# Altium PCB MB1397.PcbDoc (part 1 of 11) (continued)
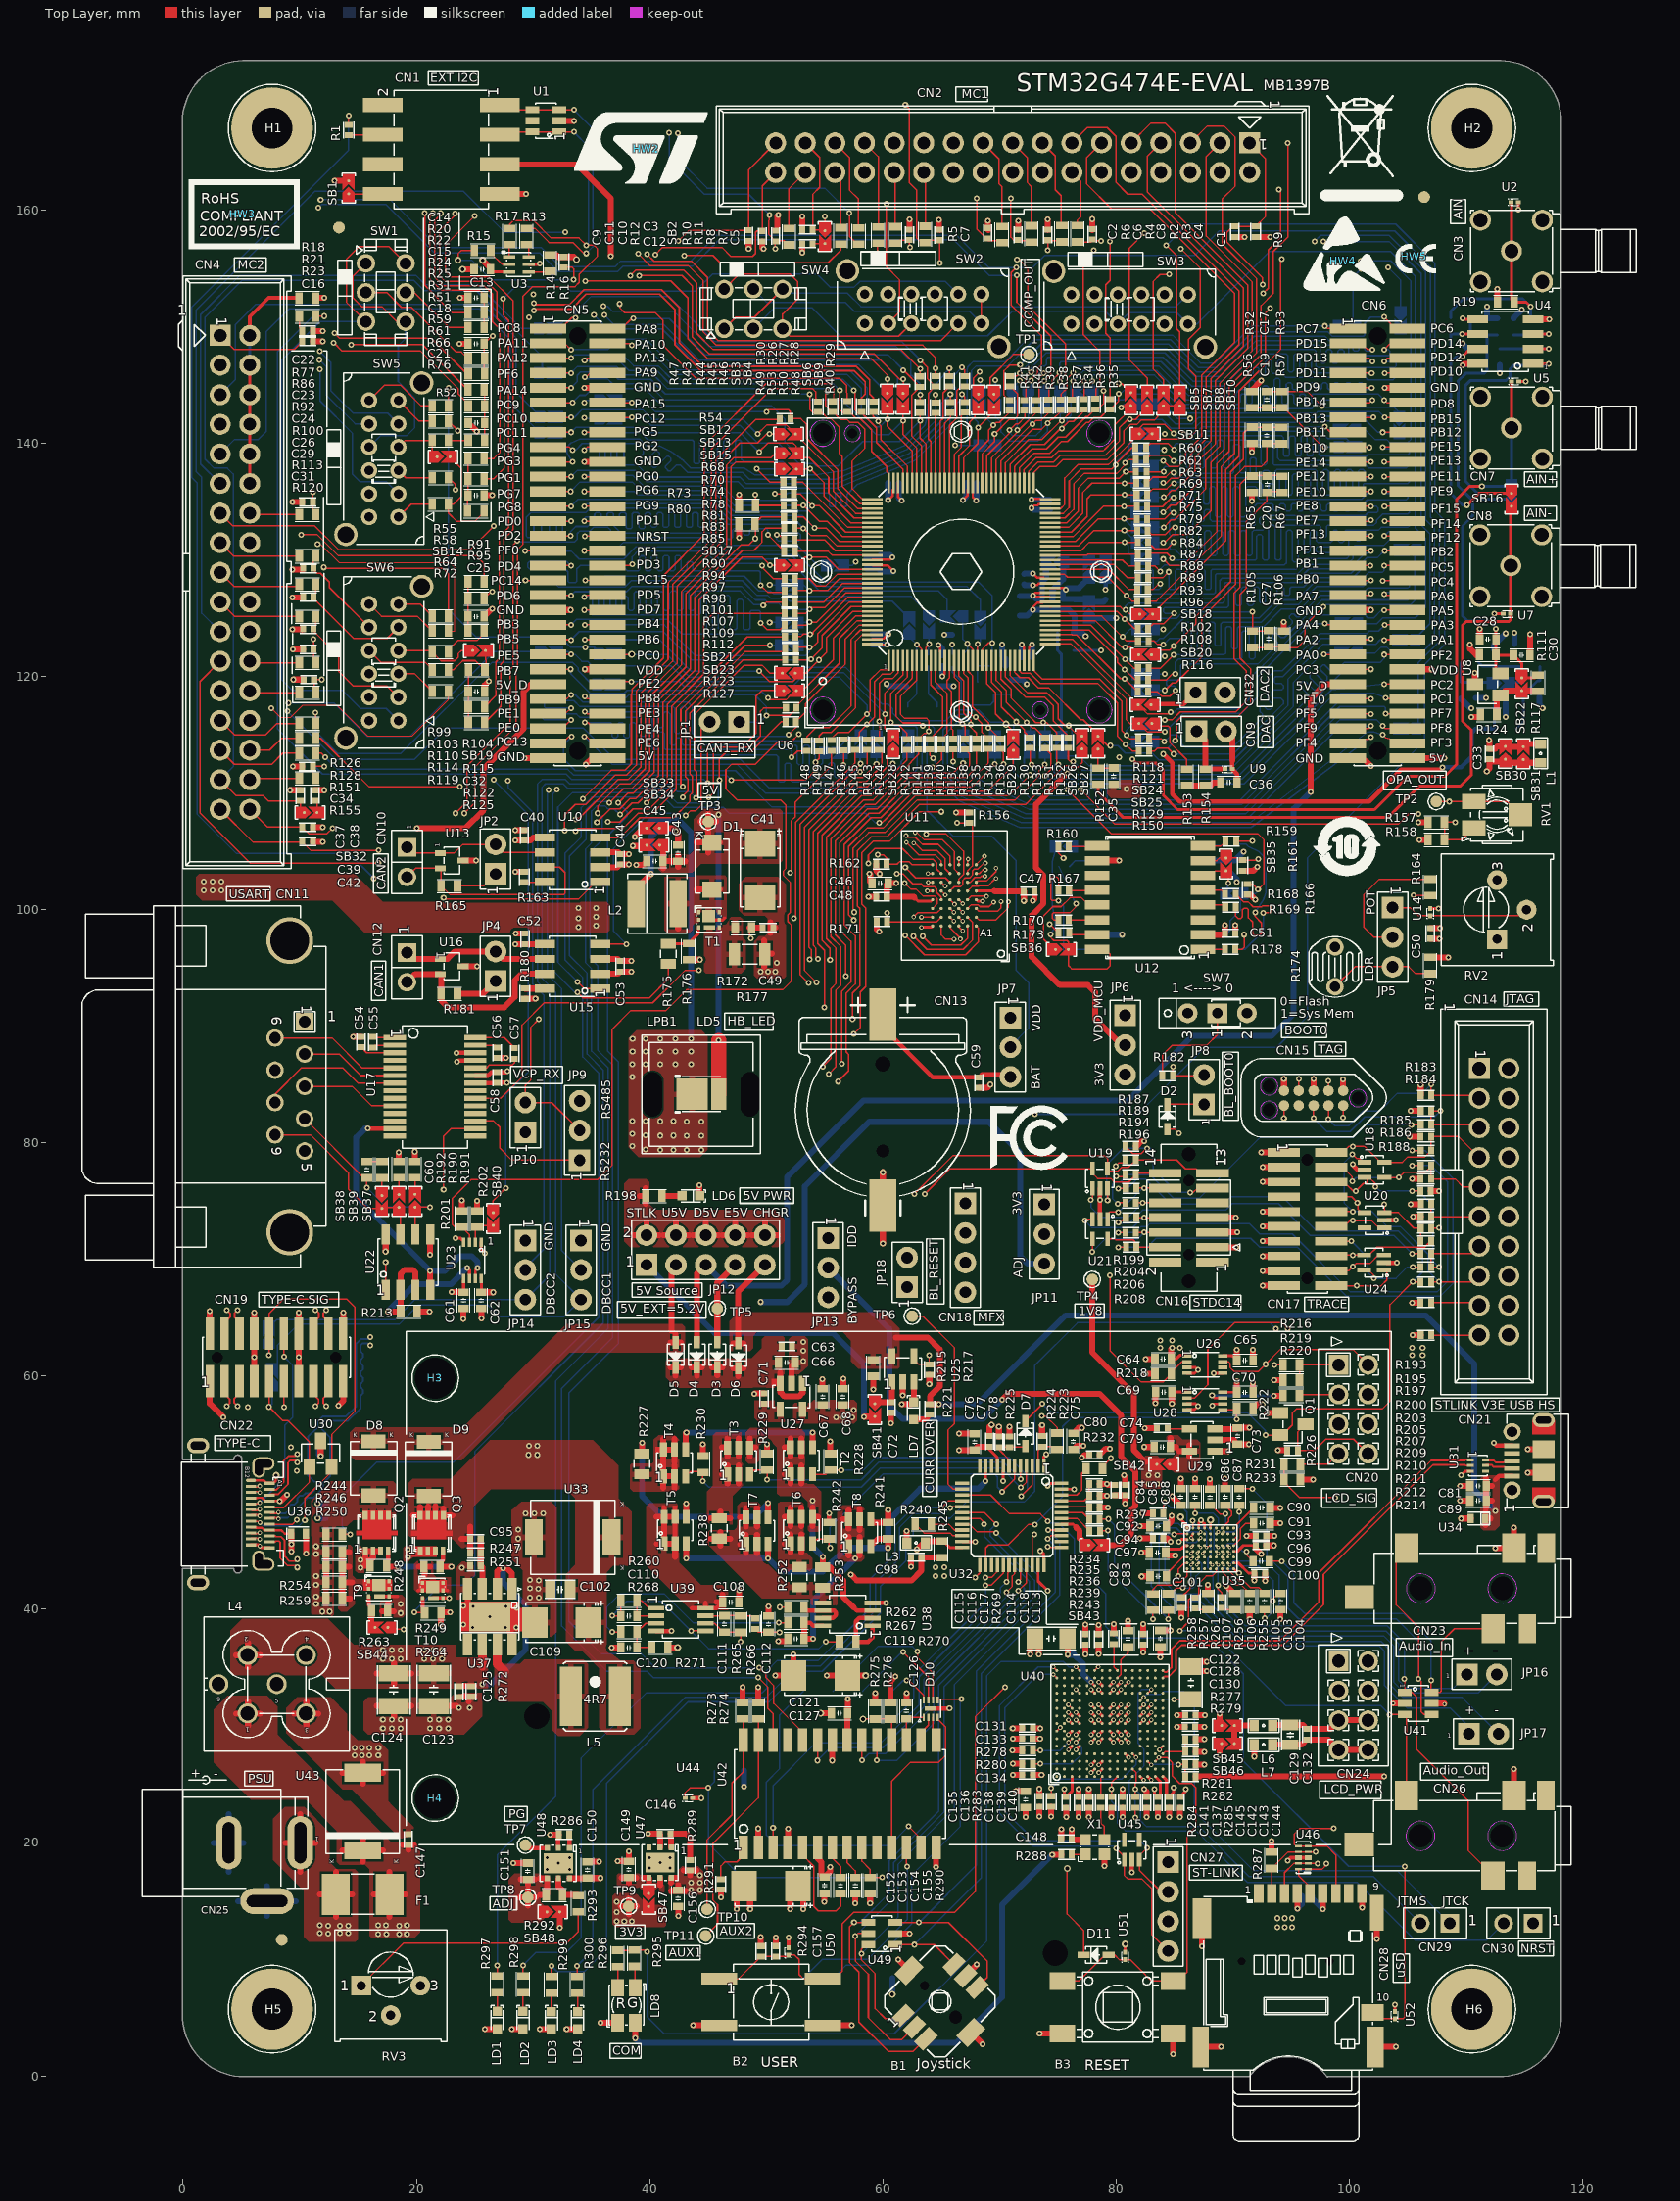
[diagram p0: Top Layer view]
## Classes and differential pairs (continued)
differential pair USB_DEV_HS: +USB_DEV_HS_P -USB_DEV_HS_N
differential pair USB_DEV_HS_CN: +USB_DEV_HS_CN_P -USB_DEV_HS_CN_N
differential pair USB_DEV_HS: +USB_DEV_HS_P -USB_DEV_HS_N

## Components (designator, comment, footprint, x,y, rotation, side; value= is the part's Value field where it differs from the comment)
B1 "Joystick MT-008A_M" SWI_XIEJIA_MT-008A_6P 64.889,6.37 r45 top
B2 "SW_BLUE_KSC721GLFS" SWI_C&K_KSC721GLFS_BLUE 50.414,6.318 r0 top
B3 "SW-PUSH-CMS" SWI_WEALTHMETAL_TD-0341_4P_BLACK 80.14,5.875 r90 top
C1 "Capacitor" C0402 90.17,158.115 r90 top
C2 "Capacitor" C0402 68.981,157.988 r270 top
C3 "Capacitor" C0402 53.527,158.287 r0 top
C4 "Capacitor" C0402 77.938,157.887 r90 top
C5 "Capacitor" C0402 62.27,157.845 r270 top
C6 "Capacitor" C0402 71.587,157.845 r270 top
C7 "Capacitor" C0402 64.801,157.837 r270 top
C8 "Capacitor" C0402 74.129,157.837 r270 top
C9 "Capacitor" C0402 48.486,157.785 r90 top
C10 "Capacitor" C0402 50.8,157.737 r270 top
C11 "Capacitor" C0402 49.654,157.731 r90 top
C12 "Capacitor" C0402 53.527,157.087 r0 top
C13 "Capacitor" C0603 25.651,154.897 r180 top
C14 "Capacitor" C0603 25.113,152.448 r180 top
C15 "Capacitor" C0603 25.121,148.511 r180 top
C16 "Capacitor" C0402 10.668,148.709 r180 top
C17 "Capacitor" C0603 92.913,143.711 r90 top
C18 "Capacitor" C0603 25.146,141.732 r180 top
C19 "Capacitor" C0603 92.905,140.645 r270 top
C20 "Capacitor" C0603 92.956,136.466 r270 top
C21 "Capacitor" C0603 25.113,135.509 r0 top
C22 "Capacitor" C0402 10.668,134.941 r180 top
C23 "Capacitor" C0402 10.735,129.237 r0 top
C24 "Capacitor" C0402 10.735,126.794 r0 top
C25 "Capacitor" C0603 25.121,125.12 r0 top
C26 "Capacitor" C0402 10.735,124.028 r0 top
C27 "Capacitor" C0603 93.086,123.221 r90 top
C28 "Capacitor" C0603 111.858,123.175 r0 top
C29 "Capacitor" C0402 10.735,122.301 r0 top
C30 "Capacitor" C0603 114.757,121.808 r180 top
C31 "Capacitor" C0402 10.785,119.717 r0 top
C32 "Capacitor" C0603 25.146,118.684 r0 top
C33 "Capacitor" C0402 112.003,113.335 r270 top
C34 "Capacitor" C0402 10.668,112.268 r0 top
C35 "Capacitor" C0603 79.781,111.433 r270 top
C36 "Capacitor" C0603 89.662,110.894 r0 top
C37 "Capacitor" C0402 10.044,109.773 r270 top
C38 "Capacitor" C0402 11.294,109.773 r270 top
C39 "Capacitor" C0402 10.668,107.06 r180 top
C40 "Capacitor" C0402 29.25,106.364 r90 top
C41 "Cap_POL_TANA" CPOL_TAJ-C_2312_H2P6 49.454,103.342 r270 top
C42 "Capacitor" C0402 10.668,105.816 r180 top
C43 "Capacitor" C0603 42.44,104.835 r270 top
C44 "Capacitor" C0402 37.45,104.306 r270 top
C45 "Capacitor" C0603 40.442,104.151 r0 top
C46 "Capacitor" C0603 59.757,102.256 r0 top
C47 "Capacitor" C0402 72.533,101.573 r0 top
C48 "Capacitor" C0402 59.876,101.088 r180 top
C49 "Capacitor" C0402 50.15,98.45 r180 top
C50 "Capacitor" C0402 106.934,97.948 r90 top
C51 "Capacitor" C0402 89.762,97.966 r180 top
C52 "Capacitor" C0402 29.303,97.48 r90 top
C53 "Capacitor" C0402 37.45,95.124 r270 top
C54 "Capacitor" C0402 15.24,88.645 r270 top
C55 "Capacitor" C0402 16.256,88.62 r270 top
C56 "Capacitor" C0402 26.924,87.713 r90 top
C57 "Capacitor" C0402 28.42,87.655 r90 top
C58 "Capacitor" C0402 26.924,85.598 r90 top
C59 "Capacitor" C0402 68.227,85.148 r90 top
C60 "Capacitor" C0603 15.748,77.689 r90 top
C61 "Capacitor" C0603 24.039,66.487 r270 top
C62 "Capacitor" C0603 25.563,66.482 r90 top
C63 "Capacitor" C0402 51.757,62.537 r180 top
C64 "Capacitor" C0603 84.021,61.464 r180 top
C65 "Capacitor" C0603 91.031,61.337 r180 top
C66 "Capacitor" C0603 51.751,61.156 r0 top
C67 "Capacitor" C0603 54.839,58.216 r270 top
C68 "Capacitor" C0603 56.543,58.216 r270 top
C69 "Capacitor" C0603 84.071,58.619 r180 top
C70 "Capacitor" C0603 91.031,58.594 r180 top
C71 "Capacitor" C0402 49.817,58.066 r270 top
C72 "Capacitor" C0402 60.706,57.297 r90 top
C73 "Capacitor" C0603 90.412,54.857 r90 top
C74 "Capacitor" C0402 83.954,55.527 r0 top
C75 "Capacitor" C0603 76.313,54.395 r270 top
C76 "Capacitor" C0603 67.861,54.353 r270 top
C77 "Capacitor" C0402 69.145,54.395 r270 top
C78 "Capacitor" C0402 69.945,54.353 r270 top
C79 "Capacitor" C0603 83.954,53.911 r0 top
C80 "Capacitor" C0402 78.129,53.238 r180 top
C81 "Capacitor" C0603 111.027,50.572 r180 top
C82 "Capacitor" C0402 79.908,50.221 r90 top
C83 "Capacitor" C0402 80.772,50.213 r270 top
C84 "Capacitor" C0603 85.529,49.626 r270 top
C85 "Capacitor" C0603 86.763,49.626 r90 top
C86 "Capacitor" C0603 89.339,49.626 r270 top
C87 "Capacitor" C0603 90.552,49.626 r90 top
C88 "Capacitor" C0603 88.04,49.601 r270 top
C89 "Capacitor" C0603 111.027,49.302 r0 top
C90 "Capacitor" C0603 92.487,48.701 r180 top
C91 "Capacitor" C0603 92.487,47.373 r180 top
C92 "Capacitor" C0603 83.597,47.119 r0 top
C93 "Capacitor" C0402 92.422,46.284 r0 top
C94 "Capacitor" C0402 83.597,46.077 r180 top
C95 "Capacitor" C0402 25.064,46.038 r180 top
C96 "Capacitor" C0402 92.422,45.466 r0 top
C97 "Capacitor" C0603 83.547,44.856 r0 top
C98 "Capacitor" C0402 62.858,44.455 r0 top
C99 "Capacitor" C0603 92.433,44.117 r0 top
C100 "Capacitor" C0402 92.303,43.078 r0 top
C101 "Capacitor" C0603 83.597,42.822 r0 top
C102 "Capacitor" C0805 32.332,41.704 r0 top
C103 "Capacitor" C0603 92.71,40.665 r90 top
C104 "Capacitor" C0603 94.107,40.665 r90 top
C105 "Capacitor" C0603 91.448,40.656 r90 top
C106 "Capacitor" C0402 89.047,40.565 r270 top
C107 "Capacitor" C0402 86.761,40.538 r270 top
C108 "Capacitor" C0603 46.955,40.607 r180 top
C109 "Cap_POL_TANA" CPOL_TAJ-C_2312_H2P6 32.459,38.862 r180 top
C110 "Capacitor" C0603 38.219,39.425 r0 top
C111 "Capacitor" C0603 46.405,38.744 r90 top
C112 "Capacitor" C0603 50.189,38.735 r270 top
C113 "Capacitor" C0603 83.782,37.486 r270 top
C114 "Capacitor" C0603 81.011,37.472 r270 top
C115 "Capacitor" C1206_H1P15 74.433,37.472 r0 top
C116 "Capacitor" C0402 77.347,37.419 r270 top
C117 "Capacitor" C0402 78.497,37.419 r270 top
C118 "Capacitor" C0402 82.307,37.419 r270 top
C119 "Capacitor" C0603 52.539,37.472 r0 top
C120 "Capacitor" C0603 38.219,36.723 r0 top
C121 "Cap_POL_TANA" CPOL_TAJ-C_2312_H2P6 54.636,34.313 r180 top
C122 "Capacitor" C1206_H1P15 86.402,33.675 r270 top
C123 "Capacitor" C1210 21.488,33.106 r90 top
C124 "Capacitor" C1210 18.059,33.096 r90 top
C125 "Capacitor" C0402 23.641,32.93 r90 top
C126 "Capacitor" C0603 62.013,31.288 r90 top
C127 "Capacitor" C0603 56.277,31.088 r0 top
C128 "Capacitor" C0402 86.371,30.926 r180 top
C129 "Capacitor" C0805 94.945,29.235 r270 top
C130 "Capacitor" C0402 86.332,29.918 r180 top
C131 "Capacitor" C0402 72.401,29.799 r0 top
C132 "Capacitor" C0402 96.342,29.286 r90 top
C133 "Capacitor" C0402 72.393,28.912 r0 top
C134 "Capacitor" C0402 72.401,25.798 r0 top
C135 "Capacitor" C0603 72.233,23.703 r90 top
C136 "Capacitor" C0402 73.417,23.518 r90 top
C137 "Capacitor" C0402 80.54,23.449 r90 top
C138 "Capacitor" C0402 75.703,23.449 r90 top
C139 "Capacitor" C0402 76.758,23.449 r90 top
C140 "Capacitor" C0402 77.647,23.449 r90 top
C141 "Capacitor" C0402 79.59,23.449 r90 top
C142 "Capacitor" C0402 83.577,23.449 r90 top
C143 "Capacitor" C0402 84.541,23.449 r90 top
C144 "Capacitor" C0402 85.471,23.449 r90 top
C145 "Capacitor" C0402 82.607,23.449 r90 top
C146 "Capacitor" C0402 41.323,20.742 r180 top
C147 "Capacitor" C0402 19.304,20.263 r90 top
C148 "Capacitor" C0402 75.73,20.31 r0 top
C149 "Capacitor" C0603 38.215,17.694 r270 top
C150 "Capacitor" C0603 34.663,17.656 r90 top
C151 "Capacitor" C0603 29.55,17.54 r270 top
C152 "Cap_POL_TANA" CPOL_TAJ-C_2312_H2P6 50.395,16.25 r180 top
C153 "Capacitor" C0603 54.988,16.33 r90 top
C154 "Capacitor" C0603 56.36,16.304 r90 top
C155 "Capacitor" C0603 57.63,16.304 r270 top
C156 "Capacitor" C0603 42.442,15.204 r90 top
C157 "Capacitor" C0402 50.8,10.668 r270 top
C158 "Capacitor" C0603 113.403,150.607 r0 bottom
C159 "Capacitor" C0603 110.931,147.441 r270 bottom
C160 "Capacitor" C0402 60.903,136.586 r180 bottom
C161 "Capacitor" C0402 67.603,136.566 r180 bottom
C162 "Capacitor" C0402 74.323,134.716 r90 bottom
C163 "Capacitor" C0603 59.817,129.692 r90 bottom
C164 "Capacitor" C0402 58.603,129.666 r270 bottom
C165 "Capacitor" C0402 72.103,128.303 r90 bottom
C166 "Capacitor" C0805 71.704,126.026 r90 bottom
C167 "Capacitor" C0603 76.417,125.899 r270 bottom
C168 "Capacitor" C0402 73.66,126.159 r90 bottom
C169 "Capacitor" C0402 74.524,126.144 r90 bottom
C170 "Capacitor" C0402 75.397,126.111 r90 bottom
C171 "Capacitor" C0603 75.717,123.749 r180 bottom
C172 "Capacitor" C0402 66.403,123.571 r180 bottom
C173 "Capacitor" C0402 59.083,123.166 r270 bottom
C174 "Capacitor" C0402 69.825,122.022 r180 bottom
C175 "Capacitor" C0402 65.1,121.336 r270 bottom
C176 "Capacitor" C0402 72.339,121.638 r0 bottom
C177 "Capacitor" C0402 69.803,120.866 r180 bottom
C178 "Capacitor" C0402 71.003,118.999 r270 bottom
C179 "Capacitor" C0603 110.846,118.82 r90 bottom
C180 "Capacitor" C0603 109.601,118.82 r90 bottom
C181 "Capacitor" C0402 114.907,119.047 r270 bottom
C182 "Capacitor" C0402 64.348,119.151 r180 bottom
C183 "Capacitor" C0402 62.459,119.126 r0 bottom
C184 "Capacitor" C0402 89.645,103.76 r90 bottom
C185 "Capacitor" C0603 12.913,49.083 r0 bottom
C186 "Capacitor" C0402 96.365,15.415 r0 bottom
CN1 "Socket 4x2" CON_SAMTEC_SSM-104-L-DH 22.135,165.159 r90 top
CN2 "Header 17x2 IDC34 MotorControl" CON_SAMTEC_TST-117-01-T-D 71.12,164.465 r180 top locked
CN3 "SMB-ZJWE-3" CON_JACK-RIGHT-ANGLE_YJ-ELECTRONIC_SMB-ZJWE-3 113.884,156.464 r0 top
CN4 "Header 17x2 IDC34 MotorControl" CON_SAMTEC_TST-117-01-T-D 4.445,128.905 r270 top locked
CN5 "Header 30x2" CON_SAMTEC_FTR-130-53-L-D-LC 33.835,131.396 r270 top locked
CN6 "Header 30x2" CON_SAMTEC_FTR-130-53-L-D-LC 102.415,131.396 r270 top
CN7 "SMB-ZJWE-3" CON_JACK-RIGHT-ANGLE_YJ-ELECTRONIC_SMB-ZJWE-3 113.884,141.285 r0 top
CN8 "SMB-ZJWE-3" CON_JACK-RIGHT-ANGLE_YJ-ELECTRONIC_SMB-ZJWE-3 113.831,129.474 r0 top
CN9 "Jumper_Header 2x1" CON_SAMTEC_TSW-102-07-G-S 88.147,115.279 r0 top
CN10 "Header 2x1" CON_988-JIUBABA_PHFS25-11-02-G0B115-T-1 19.186,104.06 r90 top
CN11 "DB9_Header_male_3-1634580-2" CON_DB9-MALE_TYCO_3-1634580-2 1.644,84.833 r270 top locked
CN12 "Header 2x1" CON_988-JIUBABA_PHFS25-11-02-G0B115-T-1 19.186,95.037 r90 top
CN13 "BATTERY HOLDER" BAT_HARWIN_S8411-45R_SMD_2P 59.992,82.804 r90 top
CN14 "Header 10x2" CON_CVILUX_CH87-20-2-V-1-00 112.395,74.93 r270 top locked
CN15 "Tag-10-C" CON_TAG-C_TC2050-IDC-NL 96.924,83.828 r180 top
CN16 "Header 7x2" CON_STDC14_Receiver_MEDIUM_WITH_MIPI10_3D 86.226,73.577 r90 top
CN17 "Header 10x2" CON_SAMTEC_FTSH-110-01-L-DV-A 96.393,73.458 r270 top
CN18 "Header 4x1" CON_SAMTEC_TSW-104-07-G-S 67.069,70.993 r270 top
CN19 "Header 10x2" CON_SAMTEC_FTSH-110-01-L-DV-A 8.001,61.595 r0 top
CN20 "Socket 4x2_LCD_IO_MODULE_MB895C" CON_SOCKET-LCD_LYCN_216208S141 100.33,57.15 r270 top locked
CN21 "USB_uB_105017.0001" CON_USBMICROB_MOLEX_105017-0001_H2P90 118.088,52.721 r90 top
CN22 "USB Type-C" CON_USB-TYPEC_LITKCONN-TECHNOLOGY_CNG008S130R -0.164,48.159 r270 top locked
CN23 "Jack_PJ3028B-3_3P" CON_PHONE-JACK-3P5_HY_PJ3028B 118.11,41.783 r180 top
CN24 "Socket 4x2_LCD_PWR_MODULE_MB895C" CON_SOCKET-LCD_LYCN_216208S141 100.33,31.75 r270 top locked
CN25 "Power_Jack_DC10B" CON_DC-POWER-SOCKET_CLIFF_FC68149_DC10B -3.5,19.977 r180 top
CN26 "Jack_PJ3028B-3_3P" CON_PHONE-JACK-3P5_HY_PJ3028B 118.091,20.574 r180 top
CN27 "Header 4x1" CON_SAMTEC_TSW-104-07-G-S 84.455,14.504 r270 top
CN28 "microSD-PJS008-2003" CON_MICROSD_YAMAICHI_PJS008-2003-1 94.748,0.025 r270 top locked
CN29 "Header 2x1" CON_988-JIUBABA_PHFS25-11-02-G0B115-T-1 107.341,13.066 r0 top
CN30 "Header 2x1" CON_988-JIUBABA_PHFS25-11-02-G0B115-T-1 114.485,13.066 r0 top
CN31 "Please to check it carefuly. Pin 8 and 9 not clearly define on datasheet. Need to validate with schematics symbol" CON_CARD-SOCKET_GUANG-LIAN-WEI_2480-208-503-100-RC 56.991,20.665 r270 bottom locked
CN32 "Jumper_Header 2x1" CON_SAMTEC_TSW-102-07-G-S 88.062,118.613 r0 top
D1 "SCHOTTKY" DIO_SMA_1A_2K 45.339,103.708 r270 top
D2 "BAT60JFILM" DIO_SOD323 84.401,82.219 r90 top
D3 "BAT60JFILM" DIO_SOD323 45.8,61.824 r270 top
D4 "BAT60JFILM" DIO_SOD323 44.041,61.815 r270 top
D5 "BAT60JFILM" DIO_SOD323 42.219,61.808 r270 top
D6 "BAT60JFILM" DIO_SOD323 47.594,61.74 r270 top
D7 "BAT60JFILM" DIO_SOD323 72.207,55.067 r90 top
D8 "STPS2L40UF" DIO_SMB-FLAT_1A_2K 16.323,52.08 r270 top
D9 "STPS2L40UF" DIO_SMB-FLAT_1A_2K 21.053,52.023 r270 top
D10 "EMIF03-SIM02M8" ESD_UQFN8-EPAD_1P7X1P5_P040 64.094,31.483 r0 top
D11 "BAT60JFILM" DIO_SOD323 78.283,10.363 r180 top
Designator42 "Comment" STICKER_25X9 28.931,163.88 r180 bottom
F1 "0ZCG0260FF2C" PTC_BEL-FUSE_1812_0ZCG0260FF2C 15.397,15.554 r0 top
H1 "POSITION HOLE C7D3R5" PTH_350_700 7.62,167.005 r0 top locked
H2 "POSITION HOLE C7D3R5" PTH_350_700 110.49,167.005 r0 top locked
H3 "POSITION HOLE C3R5D3R5" NPTH_350 21.617,59.817 r0 top locked
H4 "POSITION HOLE C3R5D3R5" NPTH_350 21.617,23.807 r0 top locked
H5 "POSITION HOLE C7D3R5" PTH_350_700 7.62,5.715 r0 top locked
H6 "POSITION HOLE C7D3R5" PTH_350_700 110.49,5.715 r0 top locked
HW2 "Logo" LOGO_ST 39.703,165.227 r0 top
HW3 "Logo" LOGO_ROHS 5.105,159.639 r0 top
HW4 "Logo" LOGO_MAIN_1 99.464,155.618 r0 top
HW5 "Logo" LOGO_CE 105.562,155.981 r0 top
HW7 "Comment" STICKER_25X9 41.176,60.325 r180 bottom
JP1 "Jumper_Header 2x1" CON_SAMTEC_TSW-102-07-G-S 46.406,116.098 r180 top
JP2 "Jumper_Header 2x1" CON_SAMTEC_TSW-102-07-G-S 26.782,104.314 r90 top
JP4 "Jumper_Header 2x1" CON_SAMTEC_TSW-102-07-G-S 26.782,95.124 r90 top
JP5 "Jumper_Header 3x1" CON_SAMTEC_TSW-103-07-F-S 103.701,97.627 r270 top
JP6 "Jumper_Header 3x1" CON_SAMTEC_TSW-103-07-F-S 80.772,88.377 r270 top
JP7 "Jumper_Header 3x1" CON_SAMTEC_TSW-103-07-F-S 70.924,88.187 r270 top
JP8 "Jumper_Header 2x1" CON_SAMTEC_TSW-102-07-G-S 87.538,84.54 r90 top
JP9 "Jumper_Header 3x1" CON_SAMTEC_TSW-103-07-F-S 33.995,81.05 r90 top
JP10 "Jumper_Header 2x1" CON_SAMTEC_TSW-102-07-G-S 29.337,82.169 r90 top
JP11 "Jumper_Header 3x1" CON_SAMTEC_TSW-103-07-F-S 73.83,72.162 r270 top
JP12 "Jumper_Header 5x2 Fitted 1-2" CON_SAMTEC_TSW-105-07-X-D 44.797,70.803 r0 top
JP13 "Jumper_Header 3x1" CON_SAMTEC_TSW-103-07-F-S 55.304,69.286 r270 top
JP14 "Jumper_Header 3x1" CON_SAMTEC_TSW-103-07-F-S 29.337,69.088 r270 top
JP15 "Jumper_Header 3x1" CON_SAMTEC_TSW-103-07-F-S 34.117,69.088 r270 top
JP16 "Jumper_Header 2x1" CON_SAMTEC_TSW-102-07-G-S 111.354,34.417 r0 top
JP17 "Jumper_Header 2x1" CON_SAMTEC_TSW-102-07-G-S 111.506,29.314 r0 top
JP18 "Jumper_Header 2x1" CON_SAMTEC_TSW-102-07-G-S 62.078,68.885 r90 top
L1 "BEAD" L0603 116.383,113.379 r90 top
L2 "Inductor" IND_POWER_CYNTEC_PSI054T 40.642,100.505 r180 top
L3 "BEAD" L0603 62.837,45.691 r180 top
L4 "BNX002-01" FIL_MURATA_BNX002-01 8.026,33.576 r180 top locked
L5 "INDUCTOR_POWER" IND_TDK_VLS6045EX-4R7M 35.331,32.537 r0 top
L6 "BEAD" L0603 92.634,30.023 r0 top
L7 "BEAD" L0603 92.634,28.385 r0 top
L8 "BEAD" L0603 74.778,128.44 r180 bottom
L9 "BEAD" L0603 79.052,125.705 r90 bottom
LD1 "LED_green" LED_0603_OSRAM_LG-Q396-PS-35_GREEN_1A2K_H0P4 26.924,4.766 r90 top
LD2 "LED_orange" LED_0603_OSRAM_LO-Q976-PS-25_ORANGE_1A2K_H0P8 29.143,4.766 r90 top
LD3 "LED_red" LED_0603_VISHAY_VLMS1300-GS08_RED_1A2K_H0P8 31.567,4.752 r90 top
LD4 "LED_blue" LED_0603_OSRAM_LB-Q39G-L2OO-35-1_BLUE_1A2K_H0P4 33.81,4.752 r90 top
LD5 "LED_white" LED_EVERLUCK_CWC12100_WHITE_1A2K 44.426,84.161 r0 top
LD6 "LED_green" LED_0603_OSRAM_LG-Q396-PS-35_GREEN_1A2K_H0P4 43.534,75.442 r0 top
LD7 "LED_red" LED_0603_VISHAY_VLMS1300-GS08_RED_1A2K_H0P8 62.637,57.028 r90 top
LD8 "LD_BICOLOR_CMS" LED_BI-GR_HSMF-A201-A00J1 38.006,6.05 r0 top
LPB1 "LPB-S01110101S" LIGHT_10MM-SQUARE-LIGHT-BAR_LUMEX_LPB-S01110101S-110945 44.416,84.149 r0 top
Q1 "BSN20" MOS_SOT23 95.123,55.88 r270 top
Q2 "STL9P3LLH6" MOS_POWERFLAT_3P3X3P3_P065 16.602,46.53 r0 top
Q3 "STL9P3LLH6" MOS_POWERFLAT_3P3X3P3_P065 21.308,46.529 r0 top
Q4 "9013-SOT23" NPN_SOT23 113.411,116.738 r180 bottom
R1 "Resistor" R0402 14.192,166.827 r90 top
R2 "Resistor" R0603 75.328,157.937 r90 top
R3 "Resistor" R0603 76.694,157.937 r270 top
R4 "Resistor" R0603 72.726,157.924 r90 top
R5 "Resistor" R0603 63.634,157.887 r270 top
R6 "Resistor" R0603 70.203,157.861 r90 top
R7 "Resistor" R0603 61.07,157.845 r270 top
R8 "Resistor" R0603 59.603,157.818 r90 top
R9 "Resistor" R0402 91.945,158.115 r270 top
R10 "Resistor" R0603 56.388,157.752 r270 top
R11 "Resistor" R0603 57.93,157.737 r90 top
R12 "Resistor" R0603 51.96,157.687 r270 top
R13 "Resistor" R0603 29.439,157.709 r270 top
R14 "Resistor" R0603 31.445,155.423 r90 top
R15 "Resistor" R0603 25.679,156.507 r0 top
R16 "Resistor" R0402 32.639,155.51 r90 top
R17 "Resistor" R0603 27.991,157.709 r270 top
R18 "Resistor" R0603 10.64,152.425 r0 top
R19 "Resistor" R0603 113.411,152.095 r0 top
R20 "Resistor" R0603 25.121,151.181 r180 top
R21 "Resistor" R0603 10.66,150.876 r180 top
R22 "Resistor" R0603 25.121,149.911 r0 top
R23 "Resistor" R0402 10.668,149.606 r0 top
R24 "Resistor" R0603 25.146,147.241 r0 top
R25 "Resistor" R0603 25.146,145.948 r180 top
R26 "Resistor" R0402 64.501,145.288 r270 top
R27 "Resistor" R0402 65.703,145.288 r90 top
R28 "Resistor" R0402 67.003,145.288 r90 top
R29 "Resistor" R0402 70.903,145.288 r90 top
R30 "Resistor" R0402 63.19,145.263 r270 top
R31 "Resistor" R0603 25.121,144.542 r180 top
R32 "Resistor" R0603 91.645,143.724 r270 top
R33 "Resistor" R0603 94.185,143.724 r270 top
R34 "Resistor" R0402 77.188,143.312 r90 top
R35 "Resistor" R0402 79.477,143.325 r90 top
R36 "Resistor" R0402 78.194,143.333 r90 top
R37 "Resistor" R0402 76.2,143.283 r90 top
R38 "Resistor" R0402 75.209,143.275 r90 top
R39 "Resistor" R0402 74.196,143.265 r90 top
R40 "Resistor" R0402 70.852,143.236 r90 top
R41 "Resistor" R0402 72.103,143.236 r90 top
R42 "Resistor" R0402 73.152,143.236 r90 top
R43 "Resistor" R0402 55.702,143.121 r90 top
R44 "Resistor" R0402 56.946,143.126 r270 top
R45 "Resistor" R0402 58.166,143.099 r270 top
R46 "Resistor" R0402 59.181,143.099 r270 top
R47 "Resistor" R0402 54.43,143.101 r270 top
R48 "Resistor" R0402 67.003,143.074 r90 top
R49 "Resistor" R0402 63.19,143.053 r270 top
R50 "Resistor" R0402 65.786,143.053 r90 top
R51 "Resistor" R0603 25.146,143.184 r180 top
R52 "Resistor" R0603 22.051,143.179 r0 top
R53 "Resistor" R0402 64.501,143.024 r90 top
R54 "Resistor" R0402 51.61,142.085 r0 top
R55 "Resistor" R0603 22.051,141.875 r0 top
R56 "Resistor" R0603 91.658,140.665 r90 top
R57 "Resistor" R0603 94.168,140.637 r90 top
R58 "Resistor" R0603 22.051,140.228 r0 top
R59 "Resistor" R0603 25.146,140.228 r0 top
R60 "Resistor" R0402 82.099,139.573 r180 top
R61 "Resistor" R0603 25.113,138.674 r0 top
R62 "Resistor" R0402 82.118,138.582 r180 top
R63 "Resistor" R0402 82.149,137.541 r180 top
R64 "Resistor" R0603 22.051,137.017 r0 top
R65 "Resistor" R0603 91.693,136.463 r90 top
R66 "Resistor" R0603 25.113,136.925 r0 top
R67 "Resistor" R0603 94.216,136.444 r90 top
R68 "Resistor" R0402 51.918,136.627 r180 top
R69 "Resistor" R0402 82.169,136.55 r180 top
R70 "Resistor" R0402 51.919,135.636 r180 top
R71 "Resistor" R0402 82.194,135.56 r180 top
R72 "Resistor" R0603 22.042,134.747 r0 top
R73 "Resistor" R0603 48.362,134.645 r180 top
R74 "Resistor" R0402 51.944,134.645 r180 top
R75 "Resistor" R0402 82.208,134.536 r180 top
R76 "Resistor" R0603 25.095,134.163 r180 top
R77 "Resistor" R0603 10.66,133.866 r0 top
R78 "Resistor" R0402 51.96,133.666 r180 top
R79 "Resistor" R0402 82.211,133.473 r180 top
R80 "Resistor" R0603 48.336,133.045 r180 top
R81 "Resistor" R0402 51.972,132.69 r180 top
R82 "Resistor" R0402 82.25,132.48 r180 top
R83 "Resistor" R0402 51.972,131.695 r180 top
R84 "Resistor" R0402 82.287,131.489 r180 top
R85 "Resistor" R0402 51.994,130.708 r180 top
R86 "Resistor" R0603 10.66,130.302 r180 top
R87 "Resistor" R0402 82.305,130.468 r0 top
R88 "Resistor" R0402 82.287,129.457 r0 top
R89 "Resistor" R0402 82.292,128.441 r0 top
R90 "Resistor" R0402 52.019,128.366 r180 top
R91 "Resistor" R0603 25.121,128.079 r0 top
R92 "Resistor" R0603 10.66,127.889 r180 top
R93 "Resistor" R0402 82.262,127.455 r0 top
R94 "Resistor" R0402 52.022,127.341 r180 top
R95 "Resistor" R0603 25.121,126.67 r0 top
R96 "Resistor" R0402 82.262,126.451 r0 top
R97 "Resistor" R0402 52.019,126.365 r180 top
R98 "Resistor" R0402 52.019,125.375 r180 top
R99 "Resistor" R0603 22.051,125.166 r0 top
R100 "Resistor" R0603 10.66,125.103 r180 top
R101 "Resistor" R0402 52.019,124.384 r180 top
R102 "Resistor" R0402 82.294,124.079 r0 top
R103 "Resistor" R0603 22.051,123.879 r0 top
R104 "Resistor" R0603 25.121,123.879 r180 top
R105 "Resistor" R0603 91.702,123.167 r270 top
R106 "Resistor" R0603 94.349,123.167 r270 top
R107 "Resistor" R0402 52.045,123.393 r180 top
R108 "Resistor" R0402 82.321,123.018 r0 top
R109 "Resistor" R0402 52.078,122.411 r0 top
R110 "Resistor" R0603 22.051,122.082 r0 top
R111 "Resistor" R0603 111.851,121.856 r180 top
R112 "Resistor" R0402 52.078,121.412 r180 top
R113 "Resistor" R0603 10.66,121.158 r0 top
R114 "Resistor" R0603 22.051,120.545 r0 top
R115 "Resistor" R0603 25.171,120.541 r180 top
R116 "Resistor" R0402 82.321,120.701 r180 top
R117 "Resistor" R0603 116.176,119.407 r90 top
R118 "Resistor" R0402 82.296,119.667 r180 top
R119 "Resistor" R0603 22.051,118.707 r0 top
R120 "Resistor" R0603 10.66,118.603 r0 top
R121 "Resistor" R0402 82.284,118.684 r180 top
R122 "Resistor" R0603 25.146,117.373 r0 top
R123 "Resistor" R0402 52.124,117.299 r0 top
R124 "Resistor" R0603 111.933,116.698 r0 top
R125 "Resistor" R0603 25.146,116.027 r0 top
R126 "Resistor" R0603 10.66,115.951 r180 top
R127 "Resistor" R0402 52.097,116.098 r180 top
R128 "Resistor" R0603 10.66,114.681 r0 top
R129 "Resistor" R0402 82.357,114.623 r180 top
R130 "Resistor" R0402 72.603,114.3 r90 top
R131 "Resistor" R0402 74.888,114.3 r90 top
R132 "Resistor" R0402 75.888,114.3 r270 top
R133 "Resistor" R0402 73.889,114.288 r90 top
R134 "Resistor" R0402 69.012,114.224 r270 top
R135 "Resistor" R0402 68.016,114.215 r270 top
R136 "Resistor" R0402 70.029,114.215 r270 top
R137 "Resistor" R0402 66.015,114.198 r270 top
R138 "Resistor" R0402 67.039,114.198 r270 top
R139 "Resistor" R0402 64.028,114.173 r270 top
R140 "Resistor" R0402 65.016,114.173 r270 top
R141 "Resistor" R0402 63.043,114.167 r90 top
R142 "Resistor" R0402 62.052,114.155 r90 top
R143 "Resistor" R0402 58.649,114.138 r90 top
R144 "Resistor" R0402 59.665,114.131 r90 top
R145 "Resistor" R0402 57.607,114.122 r90 top
R146 "Resistor" R0402 56.617,114.105 r90 top
R147 "Resistor" R0402 55.601,114.071 r90 top
R148 "Resistor" R0402 53.467,114.038 r90 top
R149 "Resistor" R0402 54.534,114.021 r90 top
R150 "Resistor" R0402 82.372,113.6 r180 top
R151 "Resistor" R0603 10.66,113.41 r180 top
R152 "Resistor" R0603 78.461,111.43 r90 top
R153 "Resistor" R0603 86.034,111.342 r90 top
R154 "Resistor" R0603 87.647,111.342 r90 top
R155 "Resistor" R0603 10.66,111.252 r0 top
R156 "Resistor" R0402 67.41,107.872 r270 top
R157 "Resistor" R0603 107.442,107.479 r180 top
R158 "Resistor" R0603 107.442,105.983 r180 top
R159 "Resistor" R0402 89.83,105.861 r180 top
R160 "Resistor" R0402 75.497,105.408 r180 top
R161 "Resistor" R0402 90.839,103.783 r90 top
R162 "Resistor" R0402 59.866,103.885 r0 top
R163 "Resistor" R0402 29.25,102.782 r90 top
R164 "Resistor" R0603 106.934,101.9 r90 top
R165 "Resistor" R0603 22.821,102.027 r0 top
R166 "Resistor" R0402 91.26,101.728 r90 top
R167 "Resistor" R0402 75.502,101.626 r180 top
R168 "Resistor" R0402 89.785,101.349 r180 top
R169 "Resistor" R0402 89.794,100.175 r180 top
R170 "Resistor" R0402 75.497,99.086 r180 top
R171 "Resistor" R0402 59.917,98.982 r180 top
R172 "Resistor" R0603 48.031,98.425 r0 top
R173 "Resistor" R0402 75.514,97.993 r180 top
R174 "PT100" PHO_SENBAN_GL55XX 98.762,95.077 r90 top
R175 "Resistor" R0805 41.6,96.197 r90 top
R176 "Resistor" R0603 43.325,96.394 r90 top
R177 "Resistor" R1206_H0P55 48.569,96.164 r180 top
R178 "Resistor" R0402 89.762,96.569 r180 top
R179 "Resistor" R0603 106.934,95.202 r90 top
R180 "Resistor" R0402 29.303,92.788 r270 top
R181 "Resistor" R0603 22.82,92.788 r0 top
R182 "Resistor" R0402 84.41,85.75 r180 top
R183 "Resistor" R0402 106.553,84.074 r180 top
R184 "Resistor" R0402 106.553,82.725 r180 top
R185 "Resistor" R0402 106.553,81.534 r180 top
R186 "Resistor" R0402 106.541,80.518 r180 top
R187 "Resistor" R0402 81.247,79.708 r180 top
R188 "Resistor" R0402 106.553,79.339 r180 top
R189 "Resistor" R0402 81.247,78.527 r0 top
R190 "Resistor" R0603 18.501,77.709 r90 top
R191 "Resistor" R0603 19.847,77.709 r270 top
R192 "Resistor" R0603 17.044,77.687 r270 top
R193 "Resistor" R0402 106.553,78.039 r180 top
R194 "Resistor" R0402 81.25,77.261 r180 top
R195 "Resistor" R0402 106.541,76.898 r0 top
R196 "Resistor" R0402 81.273,76.077 r180 top
R197 "Resistor" R0402 106.528,75.867 r0 top
R198 "Resistor" R0603 40.362,75.442 r0 top
R199 "Resistor" R0402 81.234,74.847 r180 top
R200 "Resistor" R0402 106.558,74.727 r180 top
R201 "Resistor" R0603 23.897,73.465 r90 top
R202 "Resistor" R0603 25.201,73.465 r90 top
R203 "Resistor" R0402 106.553,73.66 r0 top
R204 "Resistor" R0402 81.273,73.577 r180 top
R205 "Resistor" R0402 106.553,72.69 r0 top
R206 "Resistor" R0402 81.25,72.286 r180 top
R207 "Resistor" R0402 106.541,71.59 r180 top
R208 "Resistor" R0402 81.28,71.036 r180 top
R209 "Resistor" R0402 106.541,70.485 r180 top
R210 "Resistor" R0402 106.541,69.342 r0 top
R211 "Resistor" R0402 106.541,68.072 r180 top
R212 "Resistor" R0402 106.541,66.294 r0 top
R213 "Resistor" R0603 19.347,65.532 r180 top
R214 "Resistor" R0402 106.553,63.5 r0 top
R215 "Resistor" R0603 59.167,60.678 r270 top
R216 "Resistor" R0603 95.011,60.96 r0 top
R217 "Resistor" R0402 63.98,60.543 r90 top
R218 "Resistor" R0603 84.021,60.194 r180 top
R219 "Resistor" R0603 95.011,59.639 r180 top
R220 "Resistor" R0603 95.011,58.318 r0 top
R221 "Resistor" R0402 64.028,57.15 r270 top
R222 "Resistor" R0603 91.031,57.222 r0 top
R223 "Resistor" R0603 74.929,54.409 r90 top
R224 "Resistor" R0402 73.644,54.394 r270 top
R225 "Resistor" R0402 70.845,54.353 r90 top
R226 "Resistor" R0402 95.123,53.619 r0 top
R227 "Resistor" R0805 39.342,52.451 r270 top
R228 "Resistor" R0603 55.512,52.642 r90 top
R229 "Resistor" R0603 50.069,52.64 r270 top
R230 "Resistor" R0603 44.577,52.433 r270 top
R231 "Resistor" R0603 95.098,52.426 r0 top
R232 "Resistor" R0603 78.129,52.063 r180 top
R233 "Resistor" R0603 95.098,51.13 r0 top
R234 "Resistor" R0402 78.129,50.741 r0 top
R235 "Resistor" R0402 78.138,49.725 r180 top
R236 "Resistor" R0402 78.129,48.738 r0 top
R237 "Resistor" R0402 83.597,48.225 r0 top
R238 "Resistor" R0805 45.971,46.933 r90 top
R239 "Resistor" R0402 78.129,47.738 r180 top
R240 "Resistor" R0603 63.46,47.29 r180 top
R241 "Resistor" R0603 60.456,46.737 r90 top
R242 "Resistor" R0603 55.39,46.736 r270 top
R243 "Resistor" R0402 78.154,46.738 r180 top
R244 "Resistor" R0603 12.954,46.403 r180 top
R245 "Resistor" R0603 64.996,45.132 r270 top
R246 "Resistor" R0603 12.954,44.904 r180 top
R247 "Resistor" R0402 25.064,44.815 r180 top
R248 "Resistor" R0603 16.736,43.736 r180 top
R249 "Resistor" R0603 21.336,43.645 r0 top
R250 "Resistor" R0603 12.954,43.634 r180 top
R251 "Resistor" R0402 25.064,43.728 r0 top
R252 "Resistor" R0805 52.804,42.751 r90 top
R253 "Resistor" R0805 54.821,42.726 r90 top
R254 "Resistor" R0603 12.954,42.306 r180 top
R255 "Resistor" R0603 90.152,40.656 r270 top
R256 "Resistor" R0603 87.84,40.656 r270 top
R257 "Resistor" R0603 84.455,40.632 r270 top
R258 "Resistor" R0603 83.147,40.615 r270 top
R259 "Resistor" R0603 12.954,40.906 r180 top
R260 "Resistor" R0603 38.219,40.741 r0 top
R261 "Resistor" R0402 85.57,40.565 r90 top
R262 "Resistor" R0603 52.539,40.179 r180 top
R263 "Resistor" R0603 16.843,39.858 r180 top
R264 "Resistor" R0603 21.41,39.672 r180 top
R265 "Resistor" R0603 47.802,38.712 r90 top
R266 "Resistor" R0402 49.054,38.764 r270 top
R267 "Resistor" R0603 52.539,38.851 r0 top
R268 "Resistor" R0603 38.219,38.051 r180 top
R269 "Resistor" R0402 79.796,37.472 r270 top
R270 "Resistor" R0603 56.977,37.208 r180 top
R271 "Resistor" R0603 40.869,36.722 r180 top
R272 "Resistor" R0402 24.675,32.941 r90 top
R273 "Resistor" R0603 47.974,31.312 r90 top
R274 "Resistor" R0603 49.313,31.312 r90 top
R275 "Resistor" R0603 59.336,31.287 r90 top
R276 "Resistor" R0603 60.657,31.287 r270 top
R277 "Resistor" R0402 86.371,28.851 r0 top
R278 "Resistor" R0402 72.401,27.888 r0 top
R279 "Resistor" R0402 86.371,27.778 r180 top
R280 "Resistor" R0402 72.401,26.751 r0 top
R281 "Resistor" R0402 86.371,26.69 r0 top
R282 "Resistor" R0402 86.371,25.656 r0 top
R283 "Resistor" R0402 74.433,23.518 r90 top
R284 "Resistor" R0402 78.664,23.449 r90 top
R285 "Resistor" R0402 81.636,23.449 r90 top
R286 "Resistor" R0402 32.655,20.688 r180 top
R287 "Resistor" R0603 93.323,18.476 r90 top
R288 "Resistor" R0402 75.742,18.961 r0 top
R289 "Resistor" R0402 43.472,18.052 r270 top
R290 "Resistor" R0603 58.9,16.299 r270 top
R291 "Resistor" R0402 46.103,16.402 r270 top
R292 "Resistor" R0603 31.816,15.5 r180 top
R293 "Resistor" R0603 33.868,14.75 r90 top
R294 "Resistor" R0402 49.53,10.668 r90 top
R295 "Resistor" R0603 38.685,10.077 r90 top
R296 "Resistor" R0603 37.244,10.061 r90 top
R297 "Resistor" R0603 26.924,7.843 r90 top
R298 "Resistor" R0603 29.136,7.843 r90 top
R299 "Resistor" R0603 31.567,7.8 r90 top
R300 "Resistor" R0603 33.782,7.8 r90 top
R301 "Resistor" R0603 111.062,150.607 r0 bottom
R302 "Resistor" R0603 115.542,150.038 r270 bottom
R303 "Resistor" R0603 108.684,150.032 r90 bottom
R304 "Resistor" R0603 113.411,149.357 r0 bottom
R305 "Resistor" R0603 111.062,149.337 r180 bottom
R306 "Resistor" R0603 108.687,147.622 r90 bottom
R307 "Resistor" R0603 112.903,147.403 r270 bottom
R308 "Resistor" R0603 114.311,147.373 r90 bottom
R309 "Resistor" R0402 36.195,132.08 r0 bottom
R310 "Resistor" R0603 75.747,122.196 r180 bottom
R311 "Resistor" R0603 112.367,121.608 r270 bottom
R312 "Resistor" R0402 66.403,121.866 r0 bottom
R313 "Resistor" R0402 68.103,121.346 r90 bottom
R314 "Resistor" R0402 63.906,121.346 r90 bottom
R315 "Resistor" R0402 62.903,121.346 r90 bottom
R316 "Resistor" R0603 110.221,121.136 r180 bottom
R317 "Resistor" R0402 66.403,120.866 r0 bottom
R318 "Resistor" R0603 116.341,118.948 r270 bottom
R319 "Resistor" R0402 89.797,105.485 r180 bottom
R320 "Resistor" R0402 75.538,103.681 r180 bottom
R321 "Resistor" R0402 89.762,96.569 r180 bottom
R322 "Resistor" R0402 75.929,96.468 r180 bottom
R323 "Resistor" R0603 12.926,47.777 r0 bottom
RV1 "POTENTIOMETER" POT_BOURNS_3314J-1 112.649,108.129 r270 top
RV2 "POTENTIOMETER" POT_BOURNS_3386P 112.669,99.98 r90 top locked
RV3 "POTENTIOMETER" POT_BOURNS_3386P 17.798,7.714 r0 top
SB1 "SB_ON" SOLDER-BRIDGE_R0603-0R 14.192,161.872 r90 top
SB2 "SB_OFF" SOLDER-BRIDGE_R0603-0R 55.027,157.698 r270 top
SB3 "SB_ON" SOLDER-BRIDGE_R0603-0R 60.376,143.764 r270 top
SB4 "SB_ON" SOLDER-BRIDGE_R0603-0R 61.721,143.751 r270 top
SB5 "SB_ON" SOLDER-BRIDGE_R0603-0R 81.25,143.711 r90 top
SB6 "SB_ON" SOLDER-BRIDGE_R0603-0R 68.185,143.692 r270 top
SB7 "SB_ON" SOLDER-BRIDGE_R0603-0R 82.649,143.685 r90 top
SB8 "SB_ON" SOLDER-BRIDGE_R0603-0R 84.046,143.685 r90 top
SB9 "SB_ON" SOLDER-BRIDGE_R0603-0R 69.516,143.679 r270 top
SB10 "SB_OFF" SOLDER-BRIDGE_R0603-0R 85.443,143.672 r90 top
SB11 "SB_ON" SOLDER-BRIDGE_R0603-0R 82.478,140.788 r0 top
SB12 "SB_ON" SOLDER-BRIDGE_R0603-0R 51.915,140.764 r0 top
SB13 "SB_ON" SOLDER-BRIDGE_R0603-0R 51.974,139.119 r0 top
SB14 "SB_OFF" SOLDER-BRIDGE_R0603-0R 22.276,138.812 r0 top
SB15 "SB_ON" SOLDER-BRIDGE_R0603-0R 51.986,137.763 r0 top
SB16 "SB_ON" SOLDER-BRIDGE_R0603-0R 113.891,135.177 r270 top
SB17 "SB_OFF" SOLDER-BRIDGE_R0603-0R 51.993,129.515 r0 top
SB18 "SB_ON" SOLDER-BRIDGE_R0603-0R 82.525,125.324 r0 top
SB19 "SB_OFF" SOLDER-BRIDGE_R0603-0R 25.324,122.196 r0 top
SB20 "SB_ON" SOLDER-BRIDGE_R0603-0R 82.525,121.844 r180 top
SB21 "SB_ON" SOLDER-BRIDGE_R0603-0R 51.979,120.264 r180 top
SB22 "SB_OFF" SOLDER-BRIDGE_R0603-0R 114.77,119.357 r270 top
SB23 "SB_ON" SOLDER-BRIDGE_R0603-0R 51.981,118.754 r0 top
SB24 "SB_ON" SOLDER-BRIDGE_R0603-0R 82.49,117.551 r180 top
SB25 "SB_ON" SOLDER-BRIDGE_R0603-0R 82.55,115.951 r180 top
SB26 "SB_ON" SOLDER-BRIDGE_R0603-0R 77.064,114.259 r90 top